# Altium PCB host_board.PcbDoc (part 5 of 7) (continued)
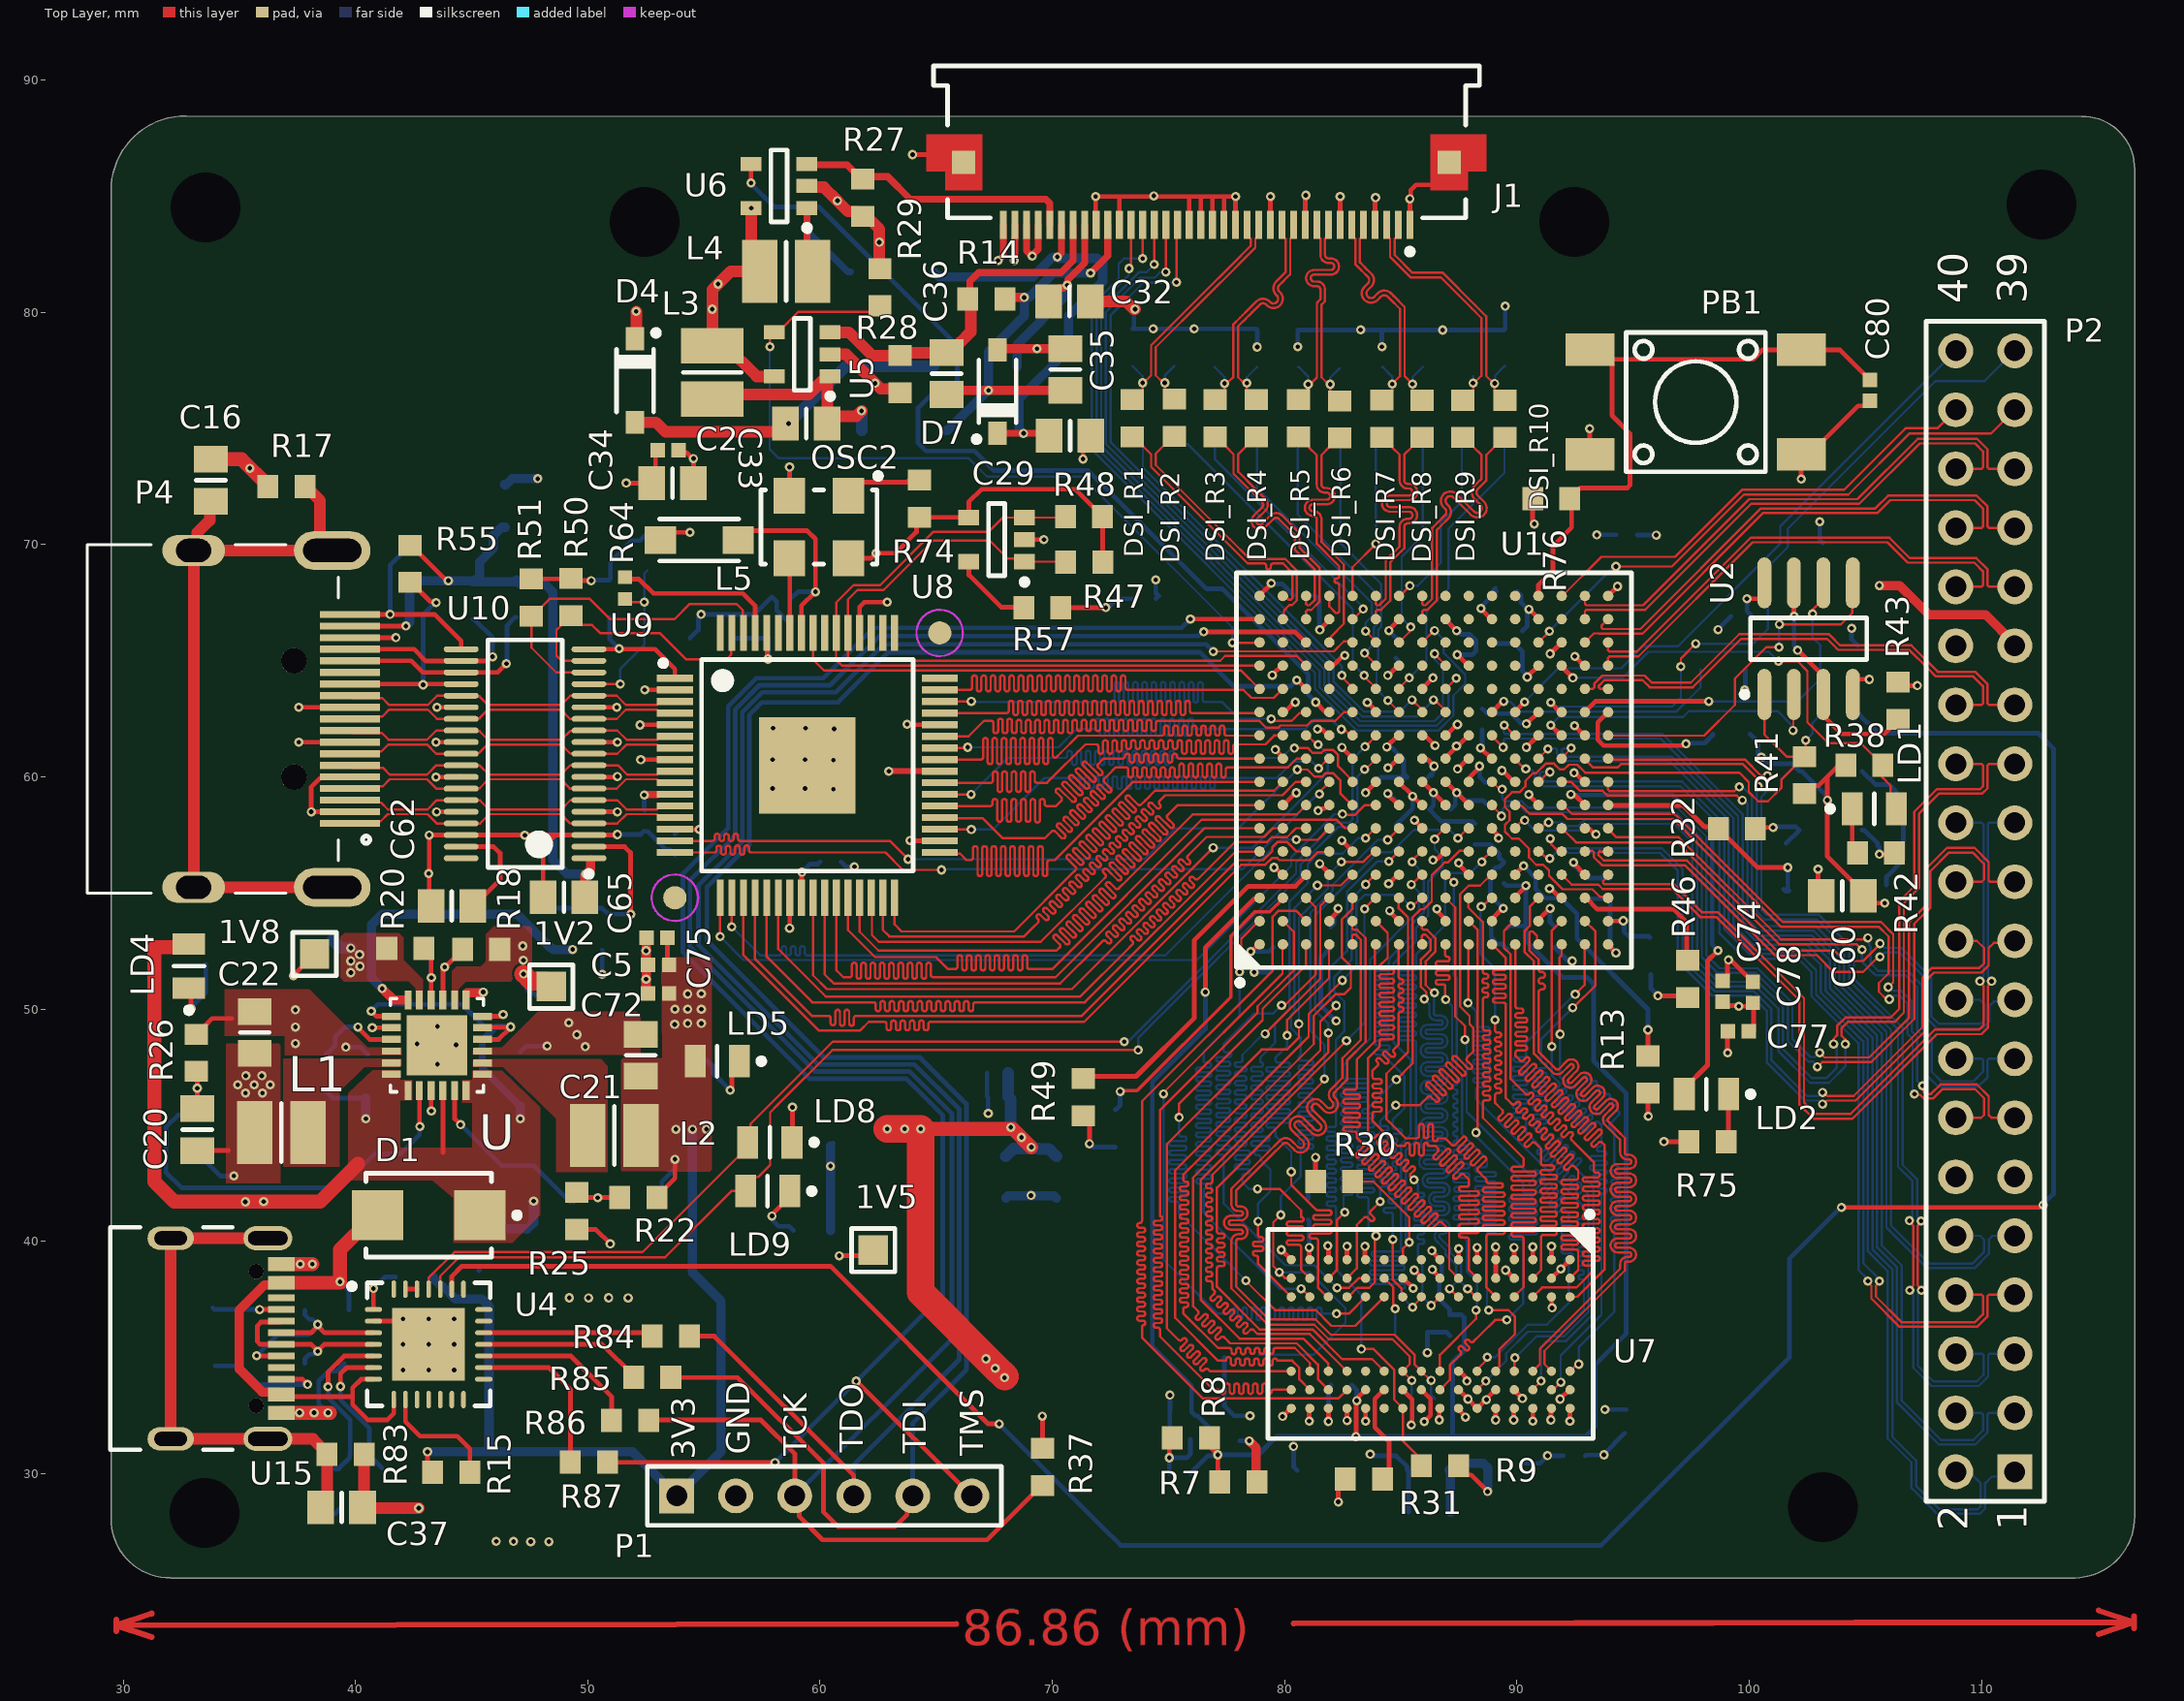
[diagram p0: Top Layer view]
## Nets (pads, with @x,y where several pads share a name; then routed paths per layer and width w, separated by ;. In a path a pad name is that pad's centre, name@x,y a point inside that pad or via, vN(x,y) a via of type N, cw(c..) or ccw(c..) an arc to the next point about the centre after c; other vN are vias at no path point) (continued)
DPHY_LP_N2: DSI_R15.1 U1.F13 | length 11.6
  Top Layer w0.1: v1(83.44,65.33) 83.92,64.85 U1.F13@83.92,64.793
  Bottom Layer w0.1: DSI_R15.1@80.56,74.618 80.56,71.29 83.95,67.9 83.95,66.553 83.83,66.433 83.83,65.72 v1(83.44,65.33)
DPHY_LP_N3: DSI_R13.1 U1.E15 | length 10.7
  Top Layer w0.1: U1.E15@82.938,66.793 v1(83.375,67.23)
  Bottom Layer w0.1: DSI_R13.1@76.985,74.643 76.985,73.695 83.375,67.305 v1(83.375,67.23)
DPHY_LP_P0: DSI_R20.2 U1.G12 | length 12.7
  Top Layer w0.1: U1.G12@84.92,63.793 84.92,63.83 v1(85.358,64.267)
  Bottom Layer w0.1: v1(85.358,64.267) 86.1,65.01 86.1,67.16 87.05,68.11 87.05,70.689 89.46,73.099 DSI_R20.2@89.46,74.643
DPHY_LP_P1: DSI_R18.2 U1.G14 | length 9.6
  Top Layer w0.1: U1.G14@84.92,65.793 85.361,66.234 85.361,66.398 v1(85.418,66.455)
  Bottom Layer w0.1: v1(85.418,66.455) 85.035,66.838 85.035,69.485 85.935,70.385 DSI_R18.2@85.935,74.618
DPHY_LP_P2: DSI_R16.2 U1.G11 | length 13
  Top Layer w0.1: v1(84.444,63.29) 84.92,62.814 U1.G11@84.92,62.793
  Bottom Layer w0.1: DSI_R16.2@82.36,74.593 82.403,74.55 82.403,70.057 84.15,68.31 84.15,66.47 84.03,66.35 84.03,64.8 83.95,64.72 83.95,63.784 v1(84.444,63.29)
DPHY_LP_P3: DSI_R14.2 U1.F14 | length 11.2
  Top Layer w0.1: v1(83.48,66.28) 83.92,65.84 U1.F14@83.92,65.793
  Bottom Layer w0.1: DSI_R14.2@78.81,74.643 78.81,72.44 83.75,67.5 83.75,66.91 83.48,66.64 v1(83.48,66.28)
DSI_GPIO0: J1.22 U1.J11 | length 31.4
  Top Layer w0.1: v4(74.88,81.74) 74.88,83.763 J1.22@74.885,83.768 ; v1(86.405,63.32) 86.454,63.32 86.92,62.854 U1.J11@86.92,62.793
  Bottom Layer w0.1: v4(74.88,81.74) 74.848,81.708 74.618,81.708 74.403,81.493 73.779,81.493 72.3,80.014 72.3,74.34 77.444,69.196 81.9,64.74 81.9,64.039 83.334,62.605 85.69,62.605 v1(86.405,63.32)
DSI_GPIO1: J1.23 U1.J13 | length 34.2
  Top Layer w0.1: v4(74.38,82.068) 74.385,82.073 J1.23@74.385,83.768 ; v1(86.45,65.305) 86.45,65.284 86.92,64.814 U1.J13@86.92,64.793
  Bottom Layer w0.1: v4(74.38,82.068) 74.132,81.82 74.042,81.729 73.732,81.729 72.1,80.097 72.1,74.257 77.107,69.25 77.107,69.248 77.35,69.006 77.35,69 81.7,64.65 81.7,63.956 83.251,62.405 86.449,62.405 86.81,62.766 86.81,64.699 86.466,65.042 86.466,65.289 v1(86.45,65.305)
DSI_GPIO2: J1.24 U1.H14 | length 37.5
  Top Layer w0.1: v4(73.88,82.318) 73.885,82.323 J1.24@73.885,83.768 ; U1.H14@85.92,65.793 85.924,65.793 86.436,66.305 v1(86.45,66.305)
  Bottom Layer w0.1: v4(73.88,82.318) 73.074,82.318 72.85,82.094 72.85,81.46 71.7,80.31 71.7,74.09 76.773,69.017 76.773,69.011 81.3,64.484 81.3,63.79 83.085,62.005 86.615,62.005 87.255,62.645 87.255,63.5 87.77,64.015 87.77,64.412 86.84,65.342 86.84,65.91 86.45,66.3 v1(86.45,66.305)
DSI_GPIO3: J1.25 U1.J12 | length 33.3
  Top Layer w0.1: v4(73.3,81.89) 73.385,81.975 J1.25@73.385,83.768 ; U1.J12@86.92,63.793 86.928,63.793 v1(87.385,64.25)
  Bottom Layer w0.1: v4(73.3,81.89) 73.288,81.878 73.288,81.608 71.9,80.22 71.9,74.173 76.973,69.1 76.973,69.094 81.5,64.567 81.5,63.873 83.168,62.205 86.532,62.205 87.05,62.723 87.05,63.915 v1(87.385,64.25)
DSI_RESET_N: J1.21 U1.H11 | length 30.5
  Top Layer w0.1: v4(75.34,81.3) 75.34,83.723 J1.21@75.385,83.768 ; v1(85.479,63.32) 85.92,62.879 U1.H11@85.92,62.793
  Bottom Layer w0.1: v4(75.34,81.3) 75.318,81.278 73.908,81.278 72.5,79.87 72.5,74.423 82.1,64.823 82.1,64.121 83.416,62.805 84.945,62.805 85.46,63.32 v1(85.479,63.32)
GND: C1.1 C2.1 C3.1 C4.1 C5.1 C6.1 C7.1 C8.1 C9.1 C10.1 C11.1 C12.1 C13.1 C14.1 C15.1 C16.2 C17.1 C18.1 C21.1 C22.1 C23.1 C24.1 C25.1 C26.1 C27.1 C28.1 C29.1 C30.2 C31.1 C32.1 C34.1 C35.1 C37.2 C38.1 C40.1 C41.1 C42.1 C43.1 C44.1 C45.1 C46.1 C47.1 C48.1 C49.1 C50.1 C51.1 C52.1 C53.1 C54.1 C55.1 C56.1 C57.1 C58.1 C59.1 C60.1 C61.1 C62.1 C63.1 C64.1 C65.1 C66.1 C67.1 C68.1 C69.1 C70.1 C71.1 C72.1 C74.1 C75.1 C76.1 C77.1 C78.1 C79.1 C80.2 D2.1 D4.1 D7.2 DSI_R21.2 DSI_R22.1 DSI_R23.2 DSI_R24.1 DSI_R25.2 DSI_R26.1 DSI_R27.2 DSI_R28.1 DSI_R29.2 DSI_R30.1 J1.1 J1.4 J1.7 J1.10 J1.13 J1.16 J1.17 J1.18 J1.19 J1.20 J1.26 J1.28 J1.MP1 J1.MP2 OSC1.2 OSC2.2 P1.2 P2.12 P2.30 P4.2 P4.5 P4.8 P4.11 P4.17 pad.1@103.16,28.567 PB1.3 PB1.4 R8.1 R9.1 R10.1 R11.1 R13.2 R17.2 R19.2 R21.2 R25.1 R26.1 R27.1 R28.1 R29.1 R30.1 R31.1 R33.1 R42.1 R44.1 R49.2 R57.1 R65.2 R66.2 R75.1 R77.1 R78.1 R81.1 R82.1 R83.2 R90.2 U1.A1 U1.A16 U1.B7 U1.B11 U1.D4 U1.D13 U1.E9 U1.G2 U1.G8 U1.G15 U1.H7 U1.H9 U1.H12 U1.J5 U1.J8 U1.K7 U1.K9 U1.L2 U1.L15 U1.M8 U1.N11 U1.N13 U1.P3 U1.P14 U1.R6 U1.R10 U1.T1 U1.T16 U2.4 U4.2 U4.29 U5.2 U6.2 U7.A9 U7.B1 U7.B3 U7.B9 U7.D1 U7.D8 U7.E1 U7.E2 U7.E8 U7.F9 U7.G1 U7.G8 U7.G9 U7.J2 U7.J8 U7.M1 U7.M9 U7.P1 U7.P9 U7.T1 U7.T9 U8.2 U9.65 U10.3 U10.5 U10.8 U10.11 U10.14 U10.25 U10.28 U10.31 U10.34 U10.36 U15.A1/B12 U15.B1/A12 U.2 U.4 U.9 U.15 U.18 U.25 | length 256.6
  Top Layer w0.2: R26.1@33.15,48.925 33.2,48.925 33.55,49.275 33.55,49.325 33.835,49.61 34.678,49.61 ; v1(37.56,61.5) P4.8@39.76,61.5 ; v1(37.56,63) P4.11@39.76,63 ; P4.2@39.76,58.5 v1(38.097,58.5) 38.097,59.57 38.477,59.95 39.71,59.95 P4.5@39.76,60 ; P4.17@39.76,66 v1(41.74,66) ; C37.2@40.332,28.525 C37.2@40.305,28.551 C37.2@40.375,28.621 ; v1(40.725,49.21) 41.552,49.21 U.2@41.554,49.212 ; U4.2@40.775,36.575 42.15,36.575 v3(43.15,35.575) ; v1(43.15,55.847) 43.175,55.822 C62.1@43.175,55.172 ; v1@43.175,55.847 v1(43.175,57.5) U10.36@44.55,57.5 48.59,57.5 ; C62.1@43.25,54.45 C62.1@43.27,54.47 ; U.9@43.256,46.494 43.256,45.634 v1(43.27,45.62) ; v1(43.47,60) 44.475,60 44.5,60.025 U10.31@44.525,60 ; v1(43.47,61.5) U10.28@44.55,61.5 U10.28@44.675,61.5 ; v1(43.495,58.5) U10.34@44.55,58.5 ; v1(43.51,63) U10.25@44.72,63 ; U.18@45.466,49.695 46.275,49.695 v1@46.37,49.789 ; C65.1@48.075,54.825 48.075,56.985 48.59,57.5 ; R25.1@49.52,40.52 50.347,40.52 v1(50.967,39.9) ; U10.5@50.05,58.5 v1(51.275,58.5) ; U10.8@50.05,60 v1@51.375,60 ; U10.11@50.05,61.5 v1(51.275,61.5) ; U10.14@50.05,63 v1(51.25,63) ; v1@51.275,57.5 U10.3@50.05,57.5 48.59,57.5 ; v1(51.655,72.652) 52.748,72.652 52.92,72.824 C2.1@52.92,74.01 ; D4.1@52.035,78.868 D4.1@52.085,78.918 ; v1@58.66,73.34 58.68,73.32 OSC2.2@58.68,72.11 ; v1(63.979,86.793) 64.91,86.793 ; U8.2@68.8,70.219 69.619,70.219 v1@69.63,70.23 ; R57.1@70.364,67.29 v1(72.295,67.29) ; R49.2@71.275,45.375 R49.2@71.32,45.42 71.595,45.145 v1(71.595,44.21) ; v4@71.322,73.67 71.322,74.355 C29.1@71.66,74.693 ; v1@71.862,84.875 71.862,83.79 J1.28@71.885,83.768 ; v1@71.862,84.968 v1@71.875,84.98 ; v1(71.862,84.993) 72.819,84.993 ; J1.26@72.885,83.768 72.885,84.926 72.819,84.993 ; v1(75.032,30.695) 75.032,31.42 R8.1@75.157,31.545 ; J1.20@75.885,83.768 75.885,84.993 ; J1.19@76.385,83.768 76.385,84.993 ; J1.18@76.885,83.768 76.885,84.968 76.86,84.993 ; J1.17@77.385,83.768 77.385,84.98 77.373,84.993 ; J1.16@77.885,83.768 v1(77.885,84.993) 77.373,84.993 ; v1(78.54,52.482) 78.567,52.482 U1.A1@78.905,52.82 ; U1.A16@78.92,67.793 78.92,67.82 v1@79.34,68.24 ; J1.13@79.385,83.768 v1(79.385,84.993) ; v2(79.855,39.645) U7.T1@80.28,39.22 ; v2(79.905,32.47) 80.255,32.82 U7.T9@80.28,32.82 ; U1.B7@79.92,58.793 79.939,58.793 80.462,59.316 v1(80.494,59.316) ; U1.B11@79.92,62.793 79.988,62.793 80.113,62.918 80.116,62.918 80.418,63.22 v1(80.46,63.22) ; J1.10@80.885,83.768 v1@80.885,85.018 ; R30.1@81.326,42.587 v1(81.326,43.625) ; v1(81.505,56.27) 81.905,55.87 U1.D4@81.905,55.82 ; v2@81.88,32.22 U7.P9@81.88,32.82 ; U7.P1@81.88,39.22 v2@81.88,39.72 ; U1.D13@81.92,64.793 81.968,64.841 82.126,64.841 82.415,65.13 82.426,65.13 82.536,65.24 v1@82.54,65.24 ; v1(82.305,28.79) 82.305,29.475 R31.1@82.61,29.78 R31.1@82.51,29.88 ; J1.7@82.385,83.768 v1@82.385,84.968 ; v1(82.465,61.274) 82.465,61.261 82.92,60.806 U1.E9@82.92,60.793 ; v2@83.455,32.245 83.48,32.245 U7.M9@83.48,32.82 ; v2(83.455,39.795) 83.455,39.249 83.453,39.247 83.405,39.199 83.48,39.274 U7.M1@83.48,39.22 ; J1.4@83.885,83.768 v1@83.885,84.918 ; v1@84.48,54.245 U1.G2@84.905,53.82 ; v1(84.48,66.305) 84.48,66.329 84.92,66.769 U1.G15@84.92,66.793 U1.G15@84.986,66.793 ; U1.G8@84.905,59.795 85.505,59.195 v1(85.505,59.17) 85.855,58.82 U1.H7@85.905,58.82 ; J1.1@85.385,83.768 v1(85.385,84.893) 85.423,84.931 85.423,85.268 85.648,85.493 86.651,85.493 ; v2(85.572,38.77) 85.88,38.462 U7.J2@85.88,38.42 ; U7.J8@85.88,33.62 86.28,33.22 86.28,32.52 v2(86.005,32.245) ; U1.H9@85.92,60.793 85.968,60.745 86.161,60.745 86.427,60.479 v1(86.427,60.465) ; U1.H12@85.92,63.793 85.92,63.807 v1(86.38,64.267) ; v1(86.38,56.42) 86.418,56.458 86.543,56.458 U1.J5@86.905,56.82 ; U1.J8@86.905,59.82 U1.K7@87.905,58.82 ; v1@87.437,60.345 87.885,60.793 U1.K9@87.92,60.793 ; U7.G9@87.48,32.82 87.48,32.766 v2@87.78,32.466 ; U7.G8@87.48,33.62 87.484,33.62 87.884,33.22 v2(87.889,33.22) ; U7.G1@87.48,39.22 87.489,39.229 87.484,39.233 v2@87.484,39.691 ; R9.1@87.621,30.349 87.621,30.159 87.83,29.95 88.02,29.95 v1(88.73,29.24) ; v2@87.88,33.22 U7.F9@88.28,32.82 U7.E8@89.08,33.62 ; v1(88.449,67.255) 88.449,67.23 U1.L15@88.899,66.78 ; U1.L2@88.905,53.82 88.905,53.87 89.374,54.339 v1(89.405,54.339) ; U7.E2@89.08,38.42 U7.E1@89.08,39.22 v2@89.08,39.77 ; v1(89.352,60.276) 89.377,60.276 89.873,59.78 U1.M8@89.899,59.78 ; U7.D8@89.88,33.62 89.88,33.595 v2(90.23,33.245) ; U7.D1@89.88,39.22 v2@89.88,39.795 ; v1@90.424,62.289 90.424,62.305 U1.N11@90.899,62.78 ; v1@90.449,64.314 90.449,64.33 U1.N13@90.899,64.78 ; v1(91.397,55.195) 91.45,55.195 91.727,54.918 91.825,54.82 U1.P3@91.905,54.82 ; v1(91.424,65.305) U1.P14@91.899,65.78 ; v2(91.455,32.32) 91.455,32.795 U7.B9@91.48,32.82 ; U7.B3@91.48,37.62 91.493,37.607 91.493,37.158 v2(91.505,37.145) ; U7.B1@91.48,39.22 v2(91.48,39.795) ; v2@92.275,32.29 92.28,32.295 U7.A9@92.28,32.82 ; v1(92.474,62.205) U1.R10@92.899,61.78 ; U1.R6@92.905,57.82 92.98,57.745 93.149,57.745 93.36,57.534 v1(93.399,57.534) ; v1@93.135,74.988 93.135,73.895 PB1.4@93.14,73.89 ; U1.T16@93.899,67.78 v1(94.324,68.205) ; U1.T1@93.905,52.82 93.905,52.778 v1(94.255,52.428) ; v1@95.633,45.38 95.639,45.386 R13.2@95.639,46.39 ; v1(96.321,44.299) R75.1@97.399,44.299 ; C74.1@98.849,51.227 99.059,51.437 99.059,52.085 v1(99.099,52.125) 99.137,52.087 99.239,52.087 C78.1@100.149,51.176 ; v1@99.059,48.136 99.059,49.032 C77.1@99.074,49.047 ; v1(102.232,72.83) 102.232,73.838 102.262,73.868 PB1.3@102.24,73.89 102.59,73.89 104.68,75.98 104.98,75.98 C80.2@105.19,76.19 ; v1(102.958,56.029) 102.958,55.021 C60.1@103.099,54.88 ; U2.4@104.454,63.555 104.454,64.023 104.639,64.207 v1@105.159,64.207 ; v1(105.599,56.671) 106.199,56.671 R42.1@106.249,56.721 ; P2.30@108.784,65.647 P2.30@108.884,65.647 ; 72.819,84.993 75.885,84.993 ; 75.885,84.993 76.385,84.993 ; 76.385,84.993 76.86,84.993 ; 76.86,84.993 77.373,84.993
  Top Layer w0.4: v1(52.51,51.296) 52.51,50.773 C72.1@52.6,50.683 ; v1(52.51,52.521) 52.51,51.926 52.525,51.911 v1@52.525,51.296 ; v1@52.525,52.521 C75.1@52.525,53.084 ; D7.2@67.635,78.393 67.685,78.443 C35.1@70.56,78.443
  Top Layer w0.5: C37.2@40.332,28.525 v1(42.725,28.525) ; C37.2@40.375,28.621 R83.2@40.375,30.85 ; D4.1@52.085,78.918 v1(52.085,80.043) ; U6.2@59.435,85.443 59.485,85.393 60.157,85.393 60.74,84.81 v1(60.745,84.81) 60.745,84.805 61.207,84.343 61.626,84.343 62.026,83.943 62.195,83.943 62.55,83.587 v1(62.55,83.02) ; U5.2@60.435,78.193 61.127,78.193 62.612,76.707 63.282,76.707 R28.1@63.446,76.543 ; v1@62.553,82.938 62.553,81.909 R29.1@62.576,81.886 ; C32.1@71.635,80.468 73.177,80.468 73.505,80.14 v1(73.556,80.14)
  Top Layer w0.6: C16.2@33.775,73.675 35.1,73.675 36.225,72.55 R17.2@36.225,72.5 ; U15.B1/A12@36.805,32.625 36.81,32.63 v1@37.51,32.63 ; U15.A1/B12@36.805,39.025 v1(38.15,39.025) ; v1(37.595,32.63) v1@38.91,32.63
  Bottom Layer w0.2: v1(38.82,32.63) 38.42,33.03 38.42,34 38.837,34.417 39.187,34.417 D2.1@39.52,34.75 ; C14.1@39.11,28.27 C14.1@39.365,28.525 ; v1(39.59,48.37) 40.22,48.37 C18.1@40.53,48.06 ; C25.1@45.31,38.75 C25.1@45.335,38.775 ; C17.1@47.1,48.16 47.36,48.42 v1(48.25,48.42) ; v1(50.625,51.5) C64.1@50.625,52.55 ; v1(51.275,57.525) 52.275,57.525 C76.1@52.43,57.68 ; C76.1@52.575,57.655 53.37,56.86 53.54,56.86 C69.1@53.75,56.65 ; C27.1@54.4,65.975 54.758,66.333 54.758,66.883 v1(54.875,67) 57.175,67 C61.1@57.925,67.75 58.135,67.54 58.135,67.165 58.679,66.621 C67.1@58.679,66.05 ; P1.2@56.32,29 P1.2@56.37,29.05 ; R81.1@60.45,44.126 R81.1@60.56,44.235 ; C68.1@60.9,56.345 61.11,56.135 v1(61.478,56.135) v1@61.485,56.128 ; C38.1@67.19,47.26 67.19,46.241 C41.1@67.23,46.201 v1@67.23,45.42 ; v1@71.57,44.235 v1(71.595,44.21) 71.735,44.07 R66.2@72.71,44.07 ; v1(72.295,67.29) 72.333,67.328 72.433,67.328 72.775,67.67 C71.1@73.555,67.67 ; v1(73.556,80.14) 73.556,80.086 73.51,80.039 73.51,79.358 DSI_R21.2@73.445,79.293 v1(74.335,79.293) DSI_R22.1@75.245,79.293 v1(76.103,79.293) 78.76,79.293 78.814,79.239 v1(78.814,78.51) ; C40.1@75.032,30.02 v1(75.032,30.695) 75.785,30.695 75.94,30.851 C31.1@75.94,31.485 ; R11.1@77.405,35.02 77.405,32.92 77.83,32.495 v1(78.505,32.495) ; v1@78.607,52.495 78.594,52.482 v1(78.54,52.482) 79.322,52.482 C50.1@79.51,52.67 ; v1(79.42,68.34) 79.447,68.313 79.887,68.313 C48.1@80.38,67.82 ; v1(80.56,78.518) DSI_R25.2@80.56,79.243 DSI_R27.2@84.185,79.243 ; C54.1@81.005,41.845 81.005,42.524 81.326,42.845 v1(81.326,43.625) ; v2(81.88,32.26) 81.88,33.631 81.841,33.67 C47.1@81.991,33.82 ; C58.1@81.98,52.645 81.555,52.22 81.555,50.142 82.197,49.5 v1(82.214,49.5) ; v1(82.305,28.79) 82.305,30.175 C6.1@82.34,30.14 ; v1@84.16,78.518 84.185,78.543 DSI_R27.2@84.185,79.243 ; v1(84.48,66.305) 84.485,66.305 C66.1@84.97,65.82 ; C9.1@84.805,57.945 85.195,58.335 85.198,58.335 85.505,58.642 v1(85.505,59.17) ; C44.1@85.87,60.9 86.066,60.704 86.187,60.704 v1(86.427,60.465) 86.427,60.41 86.38,60.363 86.38,60.2 C3.1@86.253,60.073 ; v1@86.14,35.24 86.14,36.1 86.957,36.1 C43.1@87.12,35.938 ; C3.1@86.17,59.99 C3.1@86.253,60.073 ; C3.1@86.34,60.073 C3.1@86.253,60.073 ; C52.1@87.13,58.595 87.34,58.805 87.34,59.201 87.405,59.266 v1(87.405,59.32) 87.745,58.98 88.545,58.98 C51.1@88.68,58.845 ; v1@87.384,60.344 v1(87.438,60.344) ; C49.1@88.18,57.095 88.833,57.095 89.229,56.7 89.229,56.53 C30.2@89.439,56.32 89.229,56.11 89.1,56.11 88.855,55.865 88.855,54.889 v1(89.405,54.339) 89.351,54.339 89.002,53.99 88.997,53.99 88.88,53.873 88.88,53.11 89.185,52.805 89.37,52.805 C1.1@89.58,52.595 ; v1(88.449,67.255) 88.487,67.293 88.487,67.367 C46.1@89.11,67.99 89.018,68.082 C46.1@89.069,68.133 ; C55.1@88.5,62.94 88.71,62.73 89.747,62.73 90.15,62.327 90.361,62.327 v1(90.399,62.289) ; C8.1@89.09,65.74 89.88,65.74 C70.1@90.23,65.39 90.23,64.569 90.44,64.359 v1(90.44,64.305) ; v1(89.485,80.268) DSI_R30.1@89.485,79.293 89.435,79.243 DSI_R27.2@84.185,79.243 ; C56.1@91.605,52.67 92.196,52.079 v1(92.373,52.079) ; C57.1@92.933,30.775 92.965,30.807 v1@93.758,30.807 ; C42.1@92.981,54.76 93.99,54.76 C12.1@94.005,54.745 94.005,52.732 94.255,52.482 v1(94.255,52.428) ; v1@93.431,70.43 C45.1@94.27,70.43 ; v1(93.74,30.82) 93.74,30.855 C13.1@94.63,31.745 ; v1@98.649,66.352 98.649,66.359 C53.1@99.21,66.92 ; v1(102.958,56.029) 102.958,55.446 R33.1@103.299,55.105 ; v1(103.027,70.99) 103.027,70.213 R44.1@103.16,70.08 ; OSC1.2@104.849,57.71 104.949,57.71 105.524,57.135 105.524,57.035 105.599,56.96 v1(105.599,56.671)
  Bottom Layer w0.4: C63.1@46.4,72.6 C63.1@46.45,72.55 46.743,72.843 v1(47.848,72.843) ; R82.1@60.45,40.48 R81.1@60.45,44.126 ; C28.1@67.997,41.876 68.091,41.97 v1@69.05,41.97 ; v1(69.08,41.985) 69.065,41.985 v1@69.05,41.97 ; C26.1@70.172,41.863 70.064,41.97 v1@69.05,41.97 ; C11.1@87.123,28.35 87.123,30.117 C7.1@87.07,30.17 87.355,30.455 C10.1@88.545,30.455 88.73,30.27 v1(88.73,29.24)
  other v1: 47.546,27.08 48.33,27.08 46.06,27.1 46.804,27.09 38.22,32.63 86.14,35.218 50.03,37.575 51.74,37.575 49.2,37.58 50.9,37.58 37.625,39.025 60.45,43.25 95.649,45.388 67.24,45.513 43.53,47.63 99.069,48.126 49.89,48.39 44.33,48.47 42.65,48.51 37.42,48.53 49.533,48.909 37.42,49.237 43.53,49.26 49.18,49.42 46.356,49.775 37.42,49.975 84.517,54.245 47.29,57.495 60.575,59.475 57.95,59.5 59.35,59.5 51.275,60.025 60.575,60.725 57.95,60.75 59.35,60.75 60.6,62.075 57.975,62.1 59.375,62.1 105.163,64.2 82.58,65.23 98.653,66.345 69.634,70.214 93.435,70.423 35.455,73.29 58.685,73.34 93.127,74.998 62.37,76.949 69.335,78.443 84.185,78.518 83.264,79.253 86.8,79.243 83.91,84.943 82.385,84.993 74.36,85.018 80.91,85.043
  other v2: 83.48,32.27 92.275,32.27 87.78,32.445 88.68,33.195 87.489,39.695 89.872,39.745 89.08,39.77 81.855,39.816
  other v3: 42.05,34.475 43.15,34.475 44.25,34.475 42.05,35.575 44.25,35.575 42.05,36.675 43.15,36.675 44.25,36.675
  other v4: 71.32,73.69
GPIO0_N: P2.2 U1.P9 | length 48.6
  Top Layer w0.1: U1.P9@91.899,60.78 91.899,60.802 92.327,61.229 v1(92.327,61.251)
  Bottom Layer w0.1: v1(92.327,61.251) 92.304,61.228 91.984,61.228 91.925,61.169 91.925,61.087 92.132,60.88 96.666,60.88 99.314,58.232 99.314,53.631 100.165,52.78 102.482,52.78 103.274,51.988 103.274,50.811 105.299,48.786 105.299,48.68 105.299,39.663 106.153,38.809 106.153,31.601 107.174,30.579 107.174,29.48 108.174,28.48 109.832,28.48 109.949,28.597 109.949,29.605 109.597,29.957 109.014,29.957 P2.2@108.884,30.087
GPIO0_P: P2.1 U1.N9 | length 49.4
  Top Layer w0.1: U1.N9@90.899,60.78 v1(91.324,61.205)
  Bottom Layer w0.1: v1(91.324,61.205) 91.347,61.228 91.667,61.228 91.725,61.169 91.725,61.004 92.049,60.68 96.583,60.68 99.114,58.149 99.114,53.548 100.082,52.58 102.399,52.58 103.074,51.905 103.074,50.728 105.099,48.703 105.099,48.521 105.099,39.58 105.953,38.726 105.953,31.518 106.974,30.496 106.974,29.397 108.091,28.28 109.915,28.28 110.149,28.514 110.149,29.592 110.437,29.88 111.216,29.88 P2.1@111.424,30.087
GPIO1_N: P2.4 U1.M10 | length 48.5
  Top Layer w0.1: v1@89.424,62.255 U1.M10@89.899,61.78
  Bottom Layer w0.1: v1(89.449,62.23) 89.424,62.205 89.424,61.914 89.483,61.855 96.257,61.855 99.714,58.398 99.714,53.797 100.33,53.18 102.682,53.18 103.674,52.188 103.674,50.977 105.699,48.952 105.699,48.888 105.699,39.829 106.553,38.975 106.553,33.151 108.244,31.46 109.644,31.46 110.054,31.87 110.054,32.569 109.995,32.627 P2.4@108.884,32.627
GPIO1_P: P2.3 U1.L10 | length 48.9
  Top Layer w0.1: U1.L10@88.899,61.78 v1(89.399,61.28) v1@89.399,61.255
  Bottom Layer w0.1: v1(89.399,61.28) 89.424,61.305 89.424,61.596 89.483,61.655 96.174,61.655 99.514,58.315 99.514,53.714 100.247,52.98 102.599,52.98 103.474,52.105 103.474,50.894 105.499,48.869 105.499,48.805 105.499,39.746 106.353,38.892 106.353,33.069 108.161,31.26 109.727,31.26 110.254,31.787 110.254,32.569 110.313,32.627 P2.3@111.424,32.627
GPIO2_N: P2.6 U1.T9 | length 42.1
  Top Layer w0.1: U1.T9@93.899,60.78 93.924,60.755 99.807,60.755 100.507,60.055 v1(100.774,60.055) ; v1(107.39,40.89) 107.39,40.821 107.25,40.681 107.25,38.111 107.403,37.959 v1(107.403,37.9)
  Bottom Layer w0.1: v1@100.724,59.88 100.724,59.457 100.724,59.353 100.514,59.143 100.514,54.284 100.732,54.065 102.999,54.065 104.499,52.565 104.499,51.313 106.599,49.213 106.599,43.305 107.218,42.686 107.218,41.121 107.39,40.948 v1(107.39,40.89) ; v1(107.403,37.9) 107.403,37.841 107.253,37.691 107.253,34.647 107.92,33.98 109.79,33.98 110.08,34.27 110.08,34.695 110.08,35.109 110.021,35.167 P2.6@108.884,35.167
GPIO2_P: P2.5 U1.R9 | length 43.5
  Top Layer w0.1: U1.R9@92.899,60.78 93.274,60.405 94.325,60.405 94.475,60.555 99.724,60.555 100.374,59.905 v1(100.374,59.602) ; v1(106.89,40.9) 106.89,40.841 107.05,40.681 107.05,38.109 106.903,37.961 v1(106.903,37.9)
  Bottom Layer w0.1: v1(100.374,59.602) 100.314,59.542 100.314,54.201 100.65,53.865 102.916,53.865 104.299,52.482 104.299,51.23 106.399,49.13 106.399,43.222 107.018,42.603 107.018,41.108 106.89,40.98 v1(106.89,40.9) ; v1(106.903,37.9) 106.903,37.841 107.053,37.691 107.053,34.564 107.837,33.78 109.872,33.78 110.28,34.188 110.28,34.778 110.28,35.109 110.339,35.167 P2.5@111.424,35.167
GPIO3_N: P2.8 U1.N8 | length 41.7
  Top Layer w0.1: U1.N8@90.927,59.78 91.362,60.214 v1(91.413,60.214) ; v1(105.599,38.301) 105.599,38.242 105.449,38.092 105.449,37.63 106.549,36.53 109.717,36.53 110.054,36.867 110.054,37.649 109.995,37.707 P2.8@108.884,37.707
  Bottom Layer w0.1: v1(91.413,60.214) 91.025,60.214 90.967,60.156 90.967,60.073 91.238,59.802 97.107,59.802 98.914,57.995 98.914,53.465 99.999,52.38 102.174,52.38 102.874,51.68 102.874,50.645 104.899,48.62 104.899,39.072 105.599,38.372 v1(105.599,38.301)
GPIO3_P: P2.7 U1.M9 | length 42.3
  Top Layer w0.1: U1.M9@89.899,60.78 v1@90.374,60.305 ; v1(105.099,38.301) 105.099,38.242 105.249,38.092 105.249,37.547 106.466,36.33 109.8,36.33 110.254,36.784 110.254,37.649 110.313,37.707 P2.7@111.424,37.707
  Bottom Layer w0.1: v1(90.377,60.351) 90.434,60.294 90.629,60.294 90.767,60.156 90.767,59.99 91.155,59.602 97.024,59.602 98.714,57.912 98.714,53.265 99.799,52.18 102.091,52.18 102.674,51.597 102.674,50.562 104.699,48.537 104.699,38.772 105.099,38.372 v1(105.099,38.301)
GPIO4_N: P2.10 U1.T8 | length 35.9
  Top Layer w0.1: U1.T8@93.905,59.82 93.919,59.806 93.919,59.454 93.978,59.395 99.358,59.395 99.534,59.57 v1(99.567,59.57)
  Bottom Layer w0.1: v1(99.567,59.57) 99.709,59.57 100.114,59.165 100.114,53.962 100.496,53.58 102.857,53.58 104.074,52.363 104.074,51.142 106.099,49.117 106.099,49.063 106.099,40.688 107.732,39.055 109.607,39.055 110.108,39.556 110.108,40.071 109.931,40.247 P2.10@108.884,40.247
GPIO4_P: P2.9 U1.P8 | length 37.7
  Top Layer w0.1: U1.P8@91.899,59.78 91.912,59.793 92.321,59.793 92.709,59.405 93.685,59.405 93.895,59.195 99.463,59.195 99.657,59.001 v1(99.699,59.001)
  Bottom Layer w0.1: v1(99.699,59.001) 99.765,59.001 99.914,58.853 99.914,53.879 100.413,53.38 102.774,53.38 103.874,52.28 103.874,51.059 105.899,49.034 105.899,48.98 105.899,40.605 107.649,38.855 109.69,38.855 110.308,39.473 110.308,40.089 110.466,40.247 P2.9@111.424,40.247
GPIO5_N: P2.14 U1.M7 | length 32
  Top Layer w0.1: U1.M7@89.905,58.82 89.972,58.753 90.206,58.753 90.554,58.405 91.959,58.405 92.174,58.19 96.714,58.19 101.349,53.555 105.567,53.555 105.989,53.133 105.989,51.545 105.574,51.13 105.574,50.755 105.899,50.43 v1(106.024,50.43) ; v1(107.105,46.354) 107.147,46.312 107.359,46.312 107.514,46.157 107.905,46.157 108.314,46.566 109.703,46.566 110.099,46.17 110.099,45.45 109.976,45.327 P2.14@108.884,45.327
  Bottom Layer w0.1: v1(106.024,50.43) 106.072,50.43 106.233,50.59 106.464,50.59 106.799,50.255 106.799,48.953 107.024,48.728 107.024,46.435 v1(107.105,46.354)
GPIO5_P: P2.13 U1.P7 | length 29.5
  Top Layer w0.1: U1.P7@91.905,58.82 91.952,58.82 92.367,58.405 96.782,58.405 96.811,58.376 101.432,53.755 105.664,53.755 106.189,53.23 106.189,51.162 v1(105.978,50.951) ; v1(107.459,46.707) 107.5,46.666 107.5,46.454 107.597,46.357 107.822,46.357 108.231,46.766 109.786,46.766 110.299,46.253 110.299,45.45 110.422,45.327 P2.13@111.424,45.327
  Bottom Layer w0.1: v1(105.978,50.951) 106.026,50.951 106.186,50.79 106.546,50.79 106.999,50.338 106.999,49.036 107.224,48.811 107.224,46.916 107.433,46.707 v1(107.459,46.707)
GPIO6_N: P2.16 U1.T6 | length 25.1
  Top Layer w0.1: U1.T6@93.899,57.78 94.24,57.439 94.269,57.41 96.952,57.41 96.981,57.381 101.357,53.005 105.032,53.005 v1(105.103,53.076)
  Bottom Layer w0.1: v1(105.103,53.076) 105.16,53.018 105.16,52.749 105.224,52.685 105.224,51.98 105.449,51.755 105.449,51.738 105.532,51.655 106.81,51.655 107.424,51.042 107.424,49.177 107.849,48.752 107.849,47.313 108.257,46.905 109.649,46.905 110.054,47.31 110.054,47.809 109.995,47.867 P2.16@108.884,47.867
GPIO6_P: P2.15 U1.P6 | length 27.3
  Top Layer w0.1: U1.P6@91.92,57.793 91.931,57.793 92.02,57.704 92.54,57.184 96.895,57.184 101.274,52.805 104.609,52.805 v1(104.849,52.565)
  Bottom Layer w0.1: v1(104.849,52.565) 104.849,52.039 105.324,51.564 105.341,51.564 105.449,51.455 106.728,51.455 107.224,50.959 107.224,49.094 107.649,48.669 107.649,47.14 108.119,46.671 109.847,46.671 110.254,47.077 110.254,47.809 110.313,47.867 P2.15@111.424,47.867
GPIO7_N: P2.18 U1.T5 | length 23.8
  Top Layer w0.1: 93.499,56.639 93.733,56.405 97.307,56.405 101.208,52.504 101.914,52.504 101.938,52.528 103.671,52.528 104.119,52.08 104.899,52.08 105.624,52.805 v1(105.624,52.83) ; 93.505,56.679 93.505,56.761 93.564,56.82 ; 93.557,56.78 U1.T5@93.899,56.78
  Bottom Layer w0.1: v1(105.624,52.83) 105.645,52.83 105.833,52.643 106.544,52.643 107.824,51.363 107.824,49.705 108.149,49.38 109.949,49.38 110.124,49.555 110.124,50.196 109.913,50.407 P2.18@108.884,50.407
GPIO7_P: P2.17 U1.R5 | length 24.4
  Top Layer w0.1: U1.R5@92.905,56.82 93.246,56.82 93.305,56.761 ; 93.299,56.721 93.299,56.556 93.65,56.205 97.224,56.205 101.125,52.304 101.997,52.304 102.021,52.328 102.901,52.328 103.624,51.605 104.886,51.605 105.536,52.255 v1(105.624,52.255)
  Bottom Layer w0.1: v1(105.624,52.255) 105.645,52.255 105.833,52.443 106.461,52.443 107.624,51.28 107.624,49.622 108.066,49.18 110.032,49.18 110.324,49.472 110.324,50.138 110.524,50.338 111.354,50.338 P2.17@111.424,50.407
GPIO8_N: P2.20 U1.P5 | length 33.5
  Top Layer w0.1: v1(91.43,57.345) 91.477,57.298 91.477,57.098 91.715,56.86 91.853,56.86 U1.P5@91.92,56.793 ; v1(103.149,46.421) 103.208,46.421 103.358,46.271 104.49,46.271 107.449,49.23 107.449,51.371 107.858,51.78 109.899,51.78 110.099,51.98 110.099,52.638 109.789,52.947 P2.20@108.884,52.947
  Bottom Layer w0.1: v1(91.43,57.345) 91.474,57.301 91.474,57.094 91.639,56.93 96.232,56.93 97.124,56.038 97.124,52.147 98.491,50.78 100.182,50.78 100.949,50.013 100.949,47.805 102.482,46.271 102.957,46.271 103.107,46.421 v1(103.149,46.421)
GPIO8_P: P2.19 U1.N5 | length 33.5
  Top Layer w0.1: U1.N5@90.905,56.82 90.955,56.82 91.28,56.495 v1(91.408,56.495) ; v1(103.149,45.921) 103.208,45.921 103.358,46.071 104.573,46.071 107.649,49.147 107.649,51.288 107.941,51.58 109.982,51.58 110.299,51.897 110.299,52.638 110.524,52.863 111.339,52.863 P2.19@111.424,52.947
  Bottom Layer w0.1: v1@91.405,56.42 91.408,56.423 v1(91.408,56.495) ; v1@91.41,56.48 91.66,56.73 96.149,56.73 96.924,55.955 96.924,52.064 98.408,50.58 100.099,50.58 100.749,49.93 100.749,47.722 102.4,46.071 102.957,46.071 103.107,45.921 v1(103.149,45.921)
GPIO9_N: P2.22 U1.L7 | length 39.6
  Top Layer w0.1: U1.L7@88.905,58.82 88.905,58.773 89.327,58.351 v1(89.327,58.316) ; v1(102.924,47.525) 102.932,47.525 103.133,47.725 105.242,47.725 107.099,49.583 107.099,53.68 107.79,54.371 107.79,55.946 108.591,56.747 109.607,56.747 110.099,56.255 110.099,55.591 109.995,55.487 P2.22@108.884,55.487
  Bottom Layer w0.1: v1(89.327,58.316) 89.385,58.373 89.385,58.645 89.485,58.745 90.13,58.745 90.391,58.484 96.813,58.484 97.949,57.348 97.949,52.246 98.631,51.564 100.274,51.564 101.649,50.189 101.649,48.637 102.537,47.749 102.736,47.749 102.924,47.561 v1(102.924,47.525)